# KiCad board Parallel.kicad_pcb (continued)
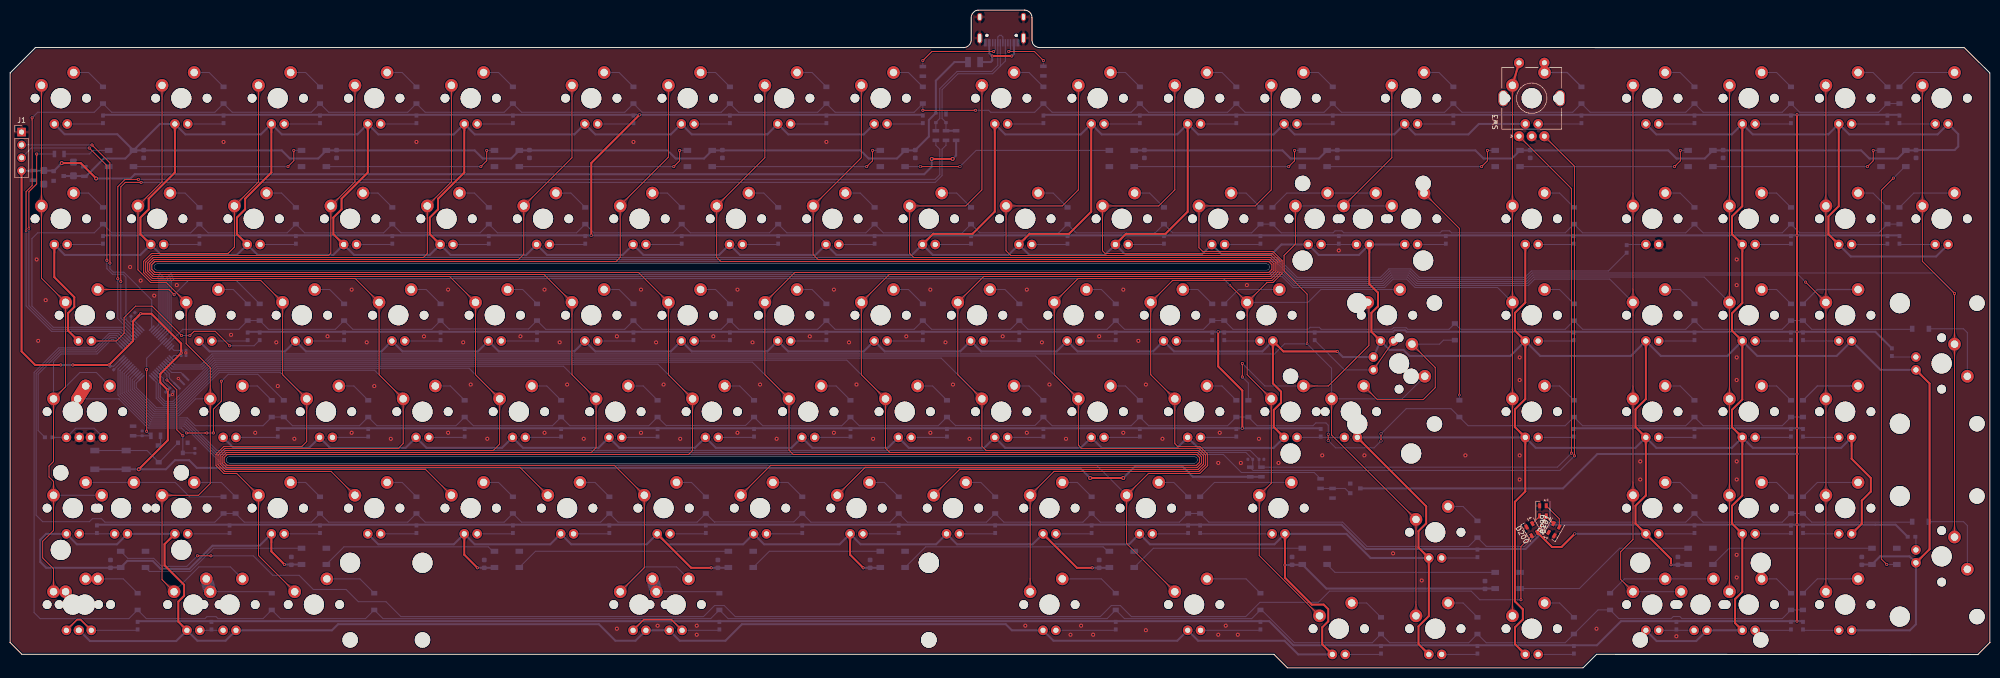
[diagram p0: board, top side]
## Copper pours and planes (outline as drawn; the poured copper is in the pictures) (continued)
Net-(D169-Pad2) on Bottom: 27.22,36.73 27.15,36.73 27.07,36.74 27,36.74 26.93,36.75 26.86,36.75 26.79,36.76 26.72,36.77 26.65,36.79 26.58,36.8 26.51,36.82 26.45,36.84 26.38,36.86 26.32,36.88 26.25,36.9 26.19,36.93 26.13,36.95 26.07,36.98 26,37.01 25.94,37.04 25.89,37.08 25.83,37.11 25.77,37.15 25.71,37.19 25.66,37.23 25.6,37.27 25.55,37.31 25.49,37.36 25.44,37.41 25.39,37.46 25.34,37.51 23.82,36.63 25.34,35.76 25.39,35.81 25.44,35.86 25.49,35.9 25.55,35.95 25.6,35.99 25.66,36.04 25.71,36.08 25.77,36.11 25.83,36.15 25.89,36.19 25.94,36.22 26,36.25 26.07,36.28 26.13,36.31 26.19,36.34 26.25,36.36 26.32,36.39 26.38,36.41 26.45,36.43 26.51,36.45 26.58,36.46 26.65,36.48 26.72,36.49 26.79,36.5 26.86,36.51 26.93,36.52 27,36.52 27.07,36.53 27.15,36.53 27.22,36.53
Net-(D169-Pad2) on Bottom: 21.67,36.53 21.74,36.53 21.82,36.53 21.89,36.52 21.96,36.52 22.03,36.51 22.1,36.5 22.17,36.49 22.24,36.48 22.31,36.46 22.38,36.45 22.45,36.43 22.51,36.41 22.58,36.39 22.64,36.36 22.7,36.34 22.77,36.31 22.83,36.28 22.89,36.25 22.95,36.22 23.01,36.19 23.06,36.15 23.12,36.11 23.18,36.08 23.23,36.04 23.29,35.99 23.34,35.95 23.4,35.9 23.45,35.86 23.5,35.81 23.55,35.76 25.07,36.63 23.55,37.51 23.5,37.46 23.45,37.41 23.4,37.36 23.34,37.31 23.29,37.27 23.23,37.23 23.18,37.19 23.12,37.15 23.06,37.11 23.01,37.08 22.95,37.04 22.89,37.01 22.83,36.98 22.77,36.95 22.7,36.93 22.64,36.9 22.58,36.88 22.51,36.86 22.45,36.84 22.38,36.82 22.31,36.8 22.24,36.79 22.17,36.77 22.1,36.76 22.03,36.75 21.96,36.75 21.89,36.74 21.82,36.74 21.74,36.73 21.67,36.73
Net-(D169-Pad2) on Bottom: 17.7,36.73 17.62,36.73 17.55,36.74 17.48,36.74 17.4,36.75 17.33,36.75 17.26,36.76 17.19,36.77 17.12,36.79 17.06,36.8 16.99,36.82 16.92,36.84 16.86,36.86 16.79,36.88 16.73,36.9 16.66,36.93 16.6,36.95 16.54,36.98 16.48,37.01 16.42,37.04 16.36,37.08 16.3,37.11 16.24,37.15 16.19,37.19 16.13,37.23 16.08,37.27 16.02,37.31 15.97,37.36 15.92,37.41 15.86,37.46 15.81,37.51 14.3,36.63 15.81,35.76 15.86,35.81 15.92,35.86 15.97,35.9 16.02,35.95 16.08,35.99 16.13,36.04 16.19,36.08 16.24,36.11 16.3,36.15 16.36,36.19 16.42,36.22 16.48,36.25 16.54,36.28 16.6,36.31 16.66,36.34 16.73,36.36 16.79,36.39 16.86,36.41 16.92,36.43 16.99,36.45 17.06,36.46 17.12,36.48 17.19,36.49 17.26,36.5 17.33,36.51 17.4,36.52 17.48,36.52 17.55,36.53 17.62,36.53 17.7,36.53
Net-(D170-Pad2) on Bottom: 39.13,36.73 39.05,36.73 38.98,36.74 38.91,36.74 38.84,36.75 38.76,36.75 38.69,36.76 38.62,36.77 38.56,36.79 38.49,36.8 38.42,36.82 38.35,36.84 38.29,36.86 38.22,36.88 38.16,36.9 38.1,36.93 38.03,36.95 37.97,36.98 37.91,37.01 37.85,37.04 37.79,37.08 37.73,37.11 37.68,37.15 37.62,37.19 37.56,37.23 37.51,37.27 37.45,37.31 37.4,37.36 37.35,37.41 37.3,37.46 37.25,37.51 35.73,36.63 37.25,35.76 37.3,35.81 37.35,35.86 37.4,35.9 37.45,35.95 37.51,35.99 37.56,36.04 37.62,36.08 37.68,36.11 37.73,36.15 37.79,36.19 37.85,36.22 37.91,36.25 37.97,36.28 38.03,36.31 38.1,36.34 38.16,36.36 38.22,36.39 38.29,36.41 38.35,36.43 38.42,36.45 38.49,36.46 38.56,36.48 38.62,36.49 38.69,36.5 38.76,36.51 38.84,36.52 38.91,36.52 38.98,36.53 39.05,36.53 39.13,36.53
Net-(D171-Pad2) on Bottom: 58.18,36.73 58.1,36.73 58.03,36.74 57.96,36.74 57.89,36.75 57.81,36.75 57.74,36.76 57.67,36.77 57.61,36.79 57.54,36.8 57.47,36.82 57.4,36.84 57.34,36.86 57.27,36.88 57.21,36.9 57.15,36.93 57.08,36.95 57.02,36.98 56.96,37.01 56.9,37.04 56.84,37.08 56.78,37.11 56.73,37.15 56.67,37.19 56.61,37.23 56.56,37.27 56.5,37.31 56.45,37.36 56.4,37.41 56.35,37.46 56.3,37.51 54.78,36.63 56.3,35.76 56.35,35.81 56.4,35.86 56.45,35.9 56.5,35.95 56.56,35.99 56.61,36.04 56.67,36.08 56.73,36.11 56.78,36.15 56.84,36.19 56.9,36.22 56.96,36.25 57.02,36.28 57.08,36.31 57.15,36.34 57.21,36.36 57.27,36.39 57.34,36.41 57.4,36.43 57.47,36.45 57.54,36.46 57.61,36.48 57.67,36.49 57.74,36.5 57.81,36.51 57.89,36.52 57.96,36.52 58.03,36.53 58.1,36.53 58.18,36.53
Net-(D172-Pad2) on Bottom: 77.23,36.73 77.15,36.73 77.08,36.74 77.01,36.74 76.94,36.75 76.86,36.75 76.79,36.76 76.72,36.77 76.66,36.79 76.59,36.8 76.52,36.82 76.45,36.84 76.39,36.86 76.32,36.88 76.26,36.9 76.2,36.93 76.13,36.95 76.07,36.98 76.01,37.01 75.95,37.04 75.89,37.08 75.83,37.11 75.78,37.15 75.72,37.19 75.66,37.23 75.61,37.27 75.55,37.31 75.5,37.36 75.45,37.41 75.4,37.46 75.35,37.51 73.83,36.63 75.35,35.76 75.4,35.81 75.45,35.86 75.5,35.9 75.55,35.95 75.61,35.99 75.66,36.04 75.72,36.08 75.78,36.11 75.83,36.15 75.89,36.19 75.95,36.22 76.01,36.25 76.07,36.28 76.13,36.31 76.2,36.34 76.26,36.36 76.32,36.39 76.39,36.41 76.45,36.43 76.52,36.45 76.59,36.46 76.66,36.48 76.72,36.49 76.79,36.5 76.86,36.51 76.94,36.52 77.01,36.52 77.08,36.53 77.15,36.53 77.23,36.53
Net-(D173-Pad2) on Bottom: 96.28,36.73 96.2,36.73 96.13,36.74 96.06,36.74 95.99,36.75 95.91,36.75 95.84,36.76 95.77,36.77 95.71,36.79 95.64,36.8 95.57,36.82 95.5,36.84 95.44,36.86 95.37,36.88 95.31,36.9 95.25,36.93 95.18,36.95 95.12,36.98 95.06,37.01 95,37.04 94.94,37.08 94.88,37.11 94.83,37.15 94.77,37.19 94.71,37.23 94.66,37.27 94.6,37.31 94.55,37.36 94.5,37.41 94.45,37.46 94.4,37.51 92.88,36.63 94.4,35.76 94.45,35.81 94.5,35.86 94.55,35.9 94.6,35.95 94.66,35.99 94.71,36.04 94.77,36.08 94.83,36.11 94.88,36.15 94.94,36.19 95,36.22 95.06,36.25 95.12,36.28 95.18,36.31 95.25,36.34 95.31,36.36 95.37,36.39 95.44,36.41 95.5,36.43 95.57,36.45 95.64,36.46 95.71,36.48 95.77,36.49 95.84,36.5 95.91,36.51 95.99,36.52 96.06,36.52 96.13,36.53 96.2,36.53 96.28,36.53
Net-(D174-Pad2) on Bottom: 115.33,36.73 115.25,36.73 115.18,36.74 115.11,36.74 115.04,36.75 114.96,36.75 114.89,36.76 114.82,36.77 114.76,36.79 114.69,36.8 114.62,36.82 114.55,36.84 114.49,36.86 114.42,36.88 114.36,36.9 114.3,36.93 114.23,36.95 114.17,36.98 114.11,37.01 114.05,37.04 113.99,37.08 113.93,37.11 113.88,37.15 113.82,37.19 113.76,37.23 113.71,37.27 113.65,37.31 113.6,37.36 113.55,37.41 113.5,37.46 113.45,37.51 111.93,36.63 113.45,35.76 113.5,35.81 113.55,35.86 113.6,35.9 113.65,35.95 113.71,35.99 113.76,36.04 113.82,36.08 113.88,36.11 113.93,36.15 113.99,36.19 114.05,36.22 114.11,36.25 114.17,36.28 114.23,36.31 114.3,36.34 114.36,36.36 114.42,36.39 114.49,36.41 114.55,36.43 114.62,36.45 114.69,36.46 114.76,36.48 114.82,36.49 114.89,36.5 114.96,36.51 115.04,36.52 115.11,36.52 115.18,36.53 115.25,36.53 115.33,36.53
Net-(D175-Pad2) on Bottom: 134.38,36.73 134.3,36.73 134.23,36.74 134.16,36.74 134.09,36.75 134.01,36.75 133.94,36.76 133.87,36.77 133.81,36.79 133.74,36.8 133.67,36.82 133.6,36.84 133.54,36.86 133.47,36.88 133.41,36.9 133.35,36.93 133.28,36.95 133.22,36.98 133.16,37.01 133.1,37.04 133.04,37.08 132.98,37.11 132.93,37.15 132.87,37.19 132.81,37.23 132.76,37.27 132.7,37.31 132.65,37.36 132.6,37.41 132.55,37.46 132.5,37.51 130.98,36.63 132.5,35.76 132.55,35.81 132.6,35.86 132.65,35.9 132.7,35.95 132.76,35.99 132.81,36.04 132.87,36.08 132.93,36.11 132.98,36.15 133.04,36.19 133.1,36.22 133.16,36.25 133.22,36.28 133.28,36.31 133.35,36.34 133.41,36.36 133.47,36.39 133.54,36.41 133.6,36.43 133.67,36.45 133.74,36.46 133.81,36.48 133.87,36.49 133.94,36.5 134.01,36.51 134.09,36.52 134.16,36.52 134.23,36.53 134.3,36.53 134.38,36.53
Net-(D176-Pad2) on Bottom: 153.43,36.73 153.35,36.73 153.28,36.74 153.21,36.74 153.14,36.75 153.06,36.75 152.99,36.76 152.92,36.77 152.86,36.79 152.79,36.8 152.72,36.82 152.65,36.84 152.59,36.86 152.52,36.88 152.46,36.9 152.4,36.93 152.33,36.95 152.27,36.98 152.21,37.01 152.15,37.04 152.09,37.08 152.03,37.11 151.98,37.15 151.92,37.19 151.86,37.23 151.81,37.27 151.75,37.31 151.7,37.36 151.65,37.41 151.6,37.46 151.55,37.51 150.03,36.63 151.55,35.76 151.6,35.81 151.65,35.86 151.7,35.9 151.75,35.95 151.81,35.99 151.86,36.04 151.92,36.08 151.98,36.11 152.03,36.15 152.09,36.19 152.15,36.22 152.21,36.25 152.27,36.28 152.33,36.31 152.4,36.34 152.46,36.36 152.52,36.39 152.59,36.41 152.65,36.43 152.72,36.45 152.79,36.46 152.86,36.48 152.92,36.49 152.99,36.5 153.06,36.51 153.14,36.52 153.21,36.52 153.28,36.53 153.35,36.53 153.43,36.53
Net-(D177-Pad2) on Bottom: 172.48,36.73 172.4,36.73 172.33,36.74 172.26,36.74 172.19,36.75 172.11,36.75 172.04,36.76 171.97,36.77 171.91,36.79 171.84,36.8 171.77,36.82 171.7,36.84 171.64,36.86 171.57,36.88 171.51,36.9 171.45,36.93 171.38,36.95 171.32,36.98 171.26,37.01 171.2,37.04 171.14,37.08 171.08,37.11 171.03,37.15 170.97,37.19 170.91,37.23 170.86,37.27 170.8,37.31 170.75,37.36 170.7,37.41 170.65,37.46 170.6,37.51 169.08,36.63 170.6,35.76 170.65,35.81 170.7,35.86 170.75,35.9 170.8,35.95 170.86,35.99 170.91,36.04 170.97,36.08 171.03,36.11 171.08,36.15 171.14,36.19 171.2,36.22 171.26,36.25 171.32,36.28 171.38,36.31 171.45,36.34 171.51,36.36 171.57,36.39 171.64,36.41 171.7,36.43 171.77,36.45 171.84,36.46 171.91,36.48 171.97,36.49 172.04,36.5 172.11,36.51 172.19,36.52 172.26,36.52 172.33,36.53 172.4,36.53 172.48,36.53
Net-(D178-Pad2) on Bottom: 191.53,36.73 191.45,36.73 191.38,36.74 191.31,36.74 191.24,36.75 191.16,36.75 191.09,36.76 191.02,36.77 190.96,36.79 190.89,36.8 190.82,36.82 190.75,36.84 190.69,36.86 190.62,36.88 190.56,36.9 190.5,36.93 190.43,36.95 190.37,36.98 190.31,37.01 190.25,37.04 190.19,37.08 190.13,37.11 190.08,37.15 190.02,37.19 189.96,37.23 189.91,37.27 189.85,37.31 189.8,37.36 189.75,37.41 189.7,37.46 189.65,37.51 188.13,36.63 189.65,35.76 189.7,35.81 189.75,35.86 189.8,35.9 189.85,35.95 189.91,35.99 189.96,36.04 190.02,36.08 190.08,36.11 190.13,36.15 190.19,36.19 190.25,36.22 190.31,36.25 190.37,36.28 190.43,36.31 190.5,36.34 190.56,36.36 190.62,36.39 190.69,36.41 190.75,36.43 190.82,36.45 190.89,36.46 190.96,36.48 191.02,36.49 191.09,36.5 191.16,36.51 191.24,36.52 191.31,36.52 191.38,36.53 191.45,36.53 191.53,36.53
Net-(D179-Pad2) on Bottom: 210.58,36.73 210.5,36.73 210.43,36.74 210.36,36.74 210.29,36.75 210.21,36.75 210.14,36.76 210.07,36.77 210.01,36.79 209.94,36.8 209.87,36.82 209.8,36.84 209.74,36.86 209.67,36.88 209.61,36.9 209.55,36.93 209.48,36.95 209.42,36.98 209.36,37.01 209.3,37.04 209.24,37.08 209.18,37.11 209.13,37.15 209.07,37.19 209.01,37.23 208.96,37.27 208.9,37.31 208.85,37.36 208.8,37.41 208.75,37.46 208.7,37.51 207.18,36.63 208.7,35.76 208.75,35.81 208.8,35.86 208.85,35.9 208.9,35.95 208.96,35.99 209.01,36.04 209.07,36.08 209.13,36.11 209.18,36.15 209.24,36.19 209.3,36.22 209.36,36.25 209.42,36.28 209.48,36.31 209.55,36.34 209.61,36.36 209.67,36.39 209.74,36.41 209.8,36.43 209.87,36.45 209.94,36.46 210.01,36.48 210.07,36.49 210.14,36.5 210.21,36.51 210.29,36.52 210.36,36.52 210.43,36.53 210.5,36.53 210.58,36.53
Net-(D180-Pad2) on Bottom: 229.63,36.73 229.55,36.73 229.48,36.74 229.41,36.74 229.34,36.75 229.26,36.75 229.19,36.76 229.12,36.77 229.06,36.79 228.99,36.8 228.92,36.82 228.85,36.84 228.79,36.86 228.72,36.88 228.66,36.9 228.6,36.93 228.53,36.95 228.47,36.98 228.41,37.01 228.35,37.04 228.29,37.08 228.23,37.11 228.18,37.15 228.12,37.19 228.06,37.23 228.01,37.27 227.95,37.31 227.9,37.36 227.85,37.41 227.8,37.46 227.75,37.51 226.23,36.63 227.75,35.76 227.8,35.81 227.85,35.86 227.9,35.9 227.95,35.95 228.01,35.99 228.06,36.04 228.12,36.08 228.18,36.11 228.23,36.15 228.29,36.19 228.35,36.22 228.41,36.25 228.47,36.28 228.53,36.31 228.6,36.34 228.66,36.36 228.72,36.39 228.79,36.41 228.85,36.43 228.92,36.45 228.99,36.46 229.06,36.48 229.12,36.49 229.19,36.5 229.26,36.51 229.34,36.52 229.41,36.52 229.48,36.53 229.55,36.53 229.63,36.53
Net-(D181-Pad2) on Bottom: 250.27,36.53 250.34,36.53 250.42,36.53 250.49,36.52 250.56,36.52 250.63,36.51 250.71,36.5 250.77,36.49 250.84,36.48 250.91,36.46 250.98,36.45 251.05,36.43 251.11,36.41 251.18,36.39 251.24,36.36 251.3,36.34 251.37,36.31 251.43,36.28 251.49,36.25 251.55,36.22 251.61,36.19 251.67,36.15 251.72,36.11 251.78,36.08 251.84,36.04 251.89,35.99 251.94,35.95 252,35.9 252.05,35.86 252.1,35.81 252.15,35.76 253.67,36.63 252.15,37.51 252.1,37.46 252.05,37.41 252,37.36 251.94,37.31 251.89,37.27 251.84,37.23 251.78,37.19 251.72,37.15 251.67,37.11 251.61,37.08 251.55,37.04 251.49,37.01 251.43,36.98 251.37,36.95 251.3,36.93 251.24,36.9 251.18,36.88 251.11,36.86 251.05,36.84 250.98,36.82 250.91,36.8 250.84,36.79 250.77,36.77 250.71,36.76 250.63,36.75 250.56,36.75 250.49,36.74 250.42,36.74 250.34,36.73 250.27,36.73
Net-(D182-Pad2) on Bottom: 286.78,31.97 286.7,31.97 286.63,31.97 286.56,31.98 286.49,31.98 286.41,31.99 286.34,32 286.27,32.01 286.21,32.02 286.14,32.04 286.07,32.06 286,32.07 285.94,32.09 285.87,32.11 285.81,32.14 285.75,32.16 285.68,32.19 285.62,32.22 285.56,32.25 285.5,32.28 285.44,32.31 285.38,32.35 285.33,32.39 285.27,32.42 285.21,32.47 285.16,32.51 285.1,32.55 285.05,32.6 285,32.64 284.95,32.69 284.9,32.74 283.38,31.87 284.9,30.99 284.95,31.04 285,31.09 285.05,31.14 285.1,31.19 285.16,31.23 285.21,31.27 285.27,31.31 285.33,31.35 285.38,31.39 285.44,31.42 285.5,31.46 285.56,31.49 285.62,31.52 285.68,31.55 285.75,31.58 285.81,31.6 285.87,31.62 285.94,31.65 286,31.66 286.07,31.68 286.14,31.7 286.21,31.71 286.27,31.73 286.34,31.74 286.41,31.75 286.49,31.76 286.56,31.76 286.63,31.77 286.7,31.77 286.78,31.77
Net-(D183-Pad1) on Top: 14.56,8.69 15.08,7.43 16.37,7.08 16.02,8.37 14.77,8.9
Net-(D183-Pad1) on Top: 12.37,8.9 11.12,8.37 10.77,7.08 12.06,7.43 12.59,8.69
Net-(D183-Pad1) on Bottom: 18.09,7.52 16.71,8.09 15.56,7.42 16.71,6.75 18.09,7.32
Net-(D184-Pad2) on Bottom: 329.64,36.73 329.57,36.73 329.49,36.74 329.42,36.74 329.35,36.75 329.28,36.75 329.21,36.76 329.14,36.77 329.07,36.79 329,36.8 328.93,36.82 328.87,36.84 328.8,36.86 328.74,36.88 328.67,36.9 328.61,36.93 328.55,36.95 328.49,36.98 328.42,37.01 328.36,37.04 328.31,37.08 328.25,37.11 328.19,37.15 328.13,37.19 328.08,37.23 328.02,37.27 327.97,37.31 327.91,37.36 327.86,37.41 327.81,37.46 327.76,37.51 326.24,36.63 327.76,35.76 327.81,35.81 327.86,35.86 327.91,35.9 327.97,35.95 328.02,35.99 328.08,36.04 328.13,36.08 328.19,36.11 328.25,36.15 328.31,36.19 328.36,36.22 328.42,36.25 328.49,36.28 328.55,36.31 328.61,36.34 328.67,36.36 328.74,36.39 328.8,36.41 328.87,36.43 328.93,36.45 329,36.46 329.07,36.48 329.14,36.49 329.21,36.5 329.28,36.51 329.35,36.52 329.42,36.52 329.49,36.53 329.57,36.53 329.64,36.53
Net-(D185-Pad2) on Bottom: 348.69,36.73 348.62,36.73 348.54,36.74 348.47,36.74 348.4,36.75 348.33,36.75 348.26,36.76 348.19,36.77 348.12,36.79 348.05,36.8 347.98,36.82 347.92,36.84 347.85,36.86 347.79,36.88 347.72,36.9 347.66,36.93 347.6,36.95 347.54,36.98 347.47,37.01 347.41,37.04 347.36,37.08 347.3,37.11 347.24,37.15 347.18,37.19 347.13,37.23 347.07,37.27 347.02,37.31 346.96,37.36 346.91,37.41 346.86,37.46 346.81,37.51 345.29,36.63 346.81,35.76 346.86,35.81 346.91,35.86 346.96,35.9 347.02,35.95 347.07,35.99 347.13,36.04 347.18,36.08 347.24,36.11 347.3,36.15 347.36,36.19 347.41,36.22 347.47,36.25 347.54,36.28 347.6,36.31 347.66,36.34 347.72,36.36 347.79,36.39 347.85,36.41 347.92,36.43 347.98,36.45 348.05,36.46 348.12,36.48 348.19,36.49 348.26,36.5 348.33,36.51 348.4,36.52 348.47,36.52 348.54,36.53 348.62,36.53 348.69,36.53
Net-(D186-Pad2) on Bottom: 362.19,36.53 362.26,36.53 362.34,36.53 362.41,36.52 362.48,36.52 362.55,36.51 362.62,36.5 362.69,36.49 362.76,36.48 362.83,36.46 362.9,36.45 362.96,36.43 363.03,36.41 363.1,36.39 363.16,36.36 363.22,36.34 363.28,36.31 363.35,36.28 363.41,36.25 363.47,36.22 363.53,36.19 363.58,36.15 363.64,36.11 363.7,36.08 363.75,36.04 363.81,35.99 363.86,35.95 363.92,35.9 363.97,35.86 364.02,35.81 364.07,35.76 365.59,36.63 364.07,37.51 364.02,37.46 363.97,37.41 363.92,37.36 363.86,37.31 363.81,37.27 363.75,37.23 363.7,37.19 363.64,37.15 363.58,37.11 363.53,37.08 363.47,37.04 363.41,37.01 363.35,36.98 363.28,36.95 363.22,36.93 363.16,36.9 363.1,36.88 363.03,36.86 362.96,36.84 362.9,36.82 362.83,36.8 362.76,36.79 362.69,36.77 362.62,36.76 362.55,36.75 362.48,36.75 362.41,36.74 362.34,36.74 362.26,36.73 362.19,36.73
Net-(D187-Pad2) on Bottom: 386.46,22.26 386.45,22.19 386.45,22.11 386.45,22.04 386.44,21.97 386.43,21.9 386.42,21.83 386.41,21.76 386.4,21.69 386.39,21.62 386.37,21.55 386.35,21.49 386.33,21.42 386.31,21.36 386.29,21.29 386.26,21.23 386.24,21.17 386.21,21.11 386.18,21.05 386.14,20.99 386.11,20.93 386.08,20.87 386.04,20.81 386,20.75 385.96,20.7 385.92,20.64 385.87,20.59 385.83,20.53 385.78,20.48 385.73,20.43 385.68,20.38 386.56,18.86 387.43,20.38 387.38,20.43 387.33,20.48 387.28,20.53 387.24,20.59 387.19,20.64 387.15,20.7 387.11,20.75 387.07,20.81 387.04,20.87 387,20.93 386.97,20.99 386.93,21.05 386.9,21.11 386.88,21.17 386.85,21.23 386.82,21.29 386.8,21.36 386.78,21.42 386.76,21.49 386.74,21.55 386.73,21.62 386.71,21.69 386.7,21.76 386.69,21.83 386.68,21.9 386.67,21.97 386.66,22.04 386.66,22.11 386.66,22.19 386.66,22.26
Net-(D188-Pad1) on Bottom: 113.34,26.57 111.96,27.14 110.81,26.47 111.96,25.8 113.34,26.37
Net-(D189-Pad1) on Bottom: 94.29,26.57 92.91,27.14 91.76,26.47 92.91,25.8 94.29,26.37
Net-(D190-Pad1) on Bottom: 75.24,26.57 73.86,27.14 72.71,26.47 73.86,25.8 75.24,26.37
Net-(D191-Pad1) on Bottom: 284.79,21.81 283.41,22.38 282.26,21.71 283.41,21.04 284.79,21.61
Net-(D192-Pad1) on Bottom: 56.19,26.57 54.81,27.14 53.66,26.47 54.81,25.8 56.19,26.37
Net-(D193-Pad1) on Bottom: 15.71,26.57 14.33,27.14 13.17,26.47 14.33,25.8 15.71,26.37
Net-(D193-Pad1) on Bottom: 18.58,26.37 19.96,25.8 21.11,26.47 19.96,27.14 18.58,26.57
Net-(D195-Pad1) on Bottom: 37.14,26.57 35.76,27.14 34.61,26.47 35.76,25.8 37.14,26.37
Net-(D196-Pad1) on Bottom: 327.65,26.57 326.28,27.14 325.12,26.47 326.28,25.8 327.65,26.37
Net-(D197-Pad1) on Bottom: 346.7,26.57 345.33,27.14 344.17,26.47 345.33,25.8 346.7,26.37
Net-(D198-Pad1) on Bottom: 359.1,26.37 360.48,25.8 361.63,26.47 360.48,27.14 359.1,26.57
Net-(D202-Pad2) on Bottom: 267.73,12.92 267.65,12.92 267.58,12.92 267.51,12.93 267.44,12.93 267.36,12.94 267.29,12.95 267.22,12.96 267.16,12.97 267.09,12.99 267.02,13.01 266.95,13.02 266.89,13.04 266.82,13.06 266.76,13.09 266.7,13.11 266.63,13.14 266.57,13.17 266.51,13.2 266.45,13.23 266.39,13.26 266.33,13.3 266.28,13.34 266.22,13.37 266.16,13.42 266.11,13.46 266.05,13.5 266,13.55 265.95,13.59 265.9,13.64 265.85,13.69 264.33,12.82 265.85,11.94 265.9,11.99 265.95,12.04 266,12.09 266.05,12.14 266.11,12.18 266.16,12.22 266.22,12.26 266.28,12.3 266.33,12.34 266.39,12.37 266.45,12.41 266.51,12.44 266.57,12.47 266.63,12.5 266.7,12.53 266.76,12.55 266.82,12.57 266.89,12.6 266.95,12.61 267.02,12.63 267.09,12.65 267.16,12.66 267.22,12.68 267.29,12.69 267.36,12.7 267.44,12.71 267.51,12.71 267.58,12.72 267.65,12.72 267.73,12.72
Net-(D203-Pad2) on Bottom: 305.83,12.92 305.75,12.92 305.68,12.92 305.61,12.93 305.54,12.93 305.46,12.94 305.39,12.95 305.32,12.96 305.26,12.97 305.19,12.99 305.12,13.01 305.05,13.02 304.99,13.04 304.92,13.06 304.86,13.09 304.8,13.11 304.73,13.14 304.67,13.17 304.61,13.2 304.55,13.23 304.49,13.26 304.43,13.3 304.38,13.34 304.32,13.37 304.26,13.42 304.21,13.46 304.15,13.5 304.1,13.55 304.05,13.59 304,13.64 303.95,13.69 302.43,12.82 303.95,11.94 304,11.99 304.05,12.04 304.1,12.09 304.15,12.14 304.21,12.18 304.26,12.22 304.32,12.26 304.38,12.3 304.43,12.34 304.49,12.37 304.55,12.41 304.61,12.44 304.67,12.47 304.73,12.5 304.8,12.53 304.86,12.55 304.92,12.57 304.99,12.6 305.05,12.61 305.12,12.63 305.19,12.65 305.26,12.66 305.32,12.68 305.39,12.69 305.46,12.7 305.54,12.71 305.61,12.71 305.68,12.72 305.75,12.72 305.83,12.72
Net-(D204-Pad2) on Bottom: 324.09,17.48 324.16,17.48 324.24,17.48 324.31,17.47 324.38,17.47 324.45,17.46 324.52,17.45 324.59,17.44 324.66,17.43 324.73,17.41 324.8,17.4 324.86,17.38 324.93,17.36 324.99,17.34 325.06,17.31 325.12,17.29 325.18,17.26 325.25,17.23 325.31,17.2 325.37,17.17 325.43,17.14 325.48,17.1 325.54,17.06 325.6,17.03 325.65,16.99 325.71,16.94 325.76,16.9 325.82,16.85 325.87,16.81 325.92,16.76 325.97,16.71 327.49,17.58 325.97,18.46 325.92,18.41 325.87,18.36 325.82,18.31 325.76,18.26 325.71,18.22 325.65,18.18 325.6,18.14 325.54,18.1 325.48,18.06 325.43,18.03 325.37,17.99 325.31,17.96 325.25,17.93 325.18,17.9 325.12,17.88 325.06,17.85 324.99,17.83 324.93,17.81 324.86,17.79 324.8,17.77 324.73,17.75 324.66,17.74 324.59,17.72 324.52,17.71 324.45,17.7 324.38,17.7 324.31,17.69 324.24,17.69 324.16,17.68 324.09,17.68
Net-(D204-Pad2) on Bottom: 329.64,17.68 329.57,17.68 329.49,17.69 329.42,17.69 329.35,17.7 329.28,17.7 329.21,17.71 329.14,17.72 329.07,17.74 329,17.75 328.93,17.77 328.87,17.79 328.8,17.81 328.74,17.83 328.67,17.85 328.61,17.88 328.55,17.9 328.49,17.93 328.42,17.96 328.36,17.99 328.31,18.03 328.25,18.06 328.19,18.1 328.13,18.14 328.08,18.18 328.02,18.22 327.97,18.26 327.91,18.31 327.86,18.36 327.81,18.41 327.76,18.46 326.24,17.58 327.76,16.71 327.81,16.76 327.86,16.81 327.91,16.85 327.97,16.9 328.02,16.94 328.08,16.99 328.13,17.03 328.19,17.06 328.25,17.1 328.31,17.14 328.36,17.17 328.42,17.2 328.49,17.23 328.55,17.26 328.61,17.29 328.67,17.31 328.74,17.34 328.8,17.36 328.87,17.38 328.93,17.4 329,17.41 329.07,17.43 329.14,17.44 329.21,17.45 329.28,17.46 329.35,17.47 329.42,17.47 329.49,17.48 329.57,17.48 329.64,17.48
Net-(D204-Pad2) on Bottom: 333.61,17.48 333.69,17.48 333.76,17.48 333.84,17.47 333.91,17.47 333.98,17.46 334.05,17.45 334.12,17.44 334.19,17.43 334.26,17.41 334.32,17.4 334.39,17.38 334.46,17.36 334.52,17.34 334.58,17.31 334.65,17.29 334.71,17.26 334.77,17.23 334.83,17.2 334.89,17.17 334.95,17.14 335.01,17.1 335.07,17.06 335.12,17.03 335.18,16.99 335.23,16.94 335.29,16.9 335.34,16.85 335.39,16.81 335.45,16.76 335.5,16.71 337.02,17.58 335.5,18.46 335.45,18.41 335.39,18.36 335.34,18.31 335.29,18.26 335.23,18.22 335.18,18.18 335.12,18.14 335.07,18.1 335.01,18.06 334.95,18.03 334.89,17.99 334.83,17.96 334.77,17.93 334.71,17.9 334.65,17.88 334.58,17.85 334.52,17.83 334.46,17.81 334.39,17.79 334.32,17.77 334.26,17.75 334.19,17.74 334.12,17.72 334.05,17.71 333.98,17.7 333.91,17.7 333.84,17.69 333.76,17.69 333.69,17.68 333.61,17.68
Net-(D205-Pad2) on Bottom: 348.69,17.68 348.62,17.68 348.54,17.69 348.47,17.69 348.4,17.7 348.33,17.7 348.26,17.71 348.19,17.72 348.12,17.74 348.05,17.75 347.98,17.77 347.92,17.79 347.85,17.81 347.79,17.83 347.72,17.85 347.66,17.88 347.6,17.9 347.54,17.93 347.47,17.96 347.41,17.99 347.36,18.03 347.3,18.06 347.24,18.1 347.18,18.14 347.13,18.18 347.07,18.22 347.02,18.26 346.96,18.31 346.91,18.36 346.86,18.41 346.81,18.46 345.29,17.58 346.81,16.71 346.86,16.76 346.91,16.81 346.96,16.85 347.02,16.9 347.07,16.94 347.13,16.99 347.18,17.03 347.24,17.06 347.3,17.1 347.36,17.14 347.41,17.17 347.47,17.2 347.54,17.23 347.6,17.26 347.66,17.29 347.72,17.31 347.79,17.34 347.85,17.36 347.92,17.38 347.98,17.4 348.05,17.41 348.12,17.43 348.19,17.44 348.26,17.45 348.33,17.46 348.4,17.47 348.47,17.47 348.54,17.48 348.62,17.48 348.69,17.48
Net-(D206-Pad2) on Bottom: 362.19,17.48 362.26,17.48 362.34,17.48 362.41,17.47 362.48,17.47 362.55,17.46 362.62,17.45 362.69,17.44 362.76,17.43 362.83,17.41 362.9,17.4 362.96,17.38 363.03,17.36 363.1,17.34 363.16,17.31 363.22,17.29 363.28,17.26 363.35,17.23 363.41,17.2 363.47,17.17 363.53,17.14 363.58,17.1 363.64,17.06 363.7,17.03 363.75,16.99 363.81,16.94 363.86,16.9 363.92,16.85 363.97,16.81 364.02,16.76 364.07,16.71 365.59,17.58 364.07,18.46 364.02,18.41 363.97,18.36 363.92,18.31 363.86,18.26 363.81,18.22 363.75,18.18 363.7,18.14 363.64,18.1 363.58,18.06 363.53,18.03 363.47,17.99 363.41,17.96 363.35,17.93 363.28,17.9 363.22,17.88 363.16,17.85 363.1,17.83 363.03,17.81 362.96,17.79 362.9,17.77 362.83,17.75 362.76,17.74 362.69,17.72 362.62,17.71 362.55,17.7 362.48,17.7 362.41,17.69 362.34,17.69 362.26,17.68 362.19,17.68
Net-(D207-Pad2) on Bottom: 20.08,17.68 20,17.68 19.93,17.69 19.86,17.69 19.79,17.7 19.71,17.7 19.64,17.71 19.57,17.72 19.51,17.74 19.44,17.75 19.37,17.77 19.3,17.79 19.24,17.81 19.17,17.83 19.11,17.85 19.05,17.88 18.98,17.9 18.92,17.93 18.86,17.96 18.8,17.99 18.74,18.03 18.68,18.06 18.63,18.1 18.57,18.14 18.51,18.18 18.46,18.22 18.4,18.26 18.35,18.31 18.3,18.36 18.25,18.41 18.19,18.46 16.68,17.58 18.19,16.71 18.25,16.76 18.3,16.81 18.35,16.85 18.4,16.9 18.46,16.94 18.51,16.99 18.57,17.03 18.63,17.06 18.68,17.1 18.74,17.14 18.8,17.17 18.86,17.2 18.92,17.23 18.98,17.26 19.05,17.29 19.11,17.31 19.17,17.34 19.24,17.36 19.3,17.38 19.37,17.4 19.44,17.41 19.51,17.43 19.57,17.44 19.64,17.45 19.71,17.46 19.79,17.47 19.86,17.47 19.93,17.48 20,17.48 20.08,17.48
Net-(D208-Pad2) on Bottom: 42.3,15.14 42.23,15.14 42.16,15.15 42.08,15.15 42.01,15.16 41.94,15.16 41.87,15.17 41.8,15.18 41.73,15.2 41.66,15.21 41.59,15.23 41.53,15.25 41.46,15.27 41.4,15.29 41.33,15.31 41.27,15.34 41.21,15.36 41.15,15.39 41.09,15.42 41.03,15.45 40.97,15.49 40.91,15.52 40.85,15.56 40.79,15.6 40.74,15.64 40.68,15.68 40.63,15.72 40.58,15.77 40.52,15.82 40.47,15.87 40.42,15.92 38.9,15.04 40.42,14.17 40.47,14.22 40.52,14.27 40.58,14.31 40.63,14.36 40.68,14.4 40.74,14.45 40.79,14.49 40.85,14.52 40.91,14.56 40.97,14.6 41.03,14.63 41.09,14.66 41.15,14.69 41.21,14.72 41.27,14.75 41.33,14.77 41.4,14.8 41.46,14.82 41.53,14.84 41.59,14.86 41.66,14.87 41.73,14.89 41.8,14.9 41.87,14.91 41.94,14.92 42.01,14.93 42.08,14.93 42.16,14.94 42.23,14.94 42.3,14.94
Net-(D209-Pad2) on Bottom: 130.41,15.14 130.34,15.14 130.26,15.15 130.19,15.15 130.12,15.16 130.05,15.16 129.98,15.17 129.91,15.18 129.84,15.2 129.77,15.21 129.7,15.23 129.63,15.25 129.57,15.27 129.5,15.29 129.44,15.31 129.38,15.34 129.31,15.36 129.25,15.39 129.19,15.42 129.13,15.45 129.07,15.49 129.02,15.52 128.96,15.56 128.9,15.6 128.84,15.64 128.79,15.68 128.74,15.72 128.68,15.77 128.63,15.82 128.58,15.87 128.53,15.92 127.01,15.04 128.53,14.17 128.58,14.22 128.63,14.27 128.68,14.31 128.74,14.36 128.79,14.4 128.84,14.45 128.9,14.49 128.96,14.52 129.02,14.56 129.07,14.6 129.13,14.63 129.19,14.66 129.25,14.69 129.31,14.72 129.38,14.75 129.44,14.77 129.5,14.8 129.57,14.82 129.63,14.84 129.7,14.86 129.77,14.87 129.84,14.89 129.91,14.9 129.98,14.91 130.05,14.92 130.12,14.93 130.19,14.93 130.26,14.94 130.34,14.94 130.41,14.94
Net-(D210-Pad2) on Bottom: 210.58,17.68 210.5,17.68 210.43,17.69 210.36,17.69 210.29,17.7 210.21,17.7 210.14,17.71 210.07,17.72 210.01,17.74 209.94,17.75 209.87,17.77 209.8,17.79 209.74,17.81 209.67,17.83 209.61,17.85 209.55,17.88 209.48,17.9 209.42,17.93 209.36,17.96 209.3,17.99 209.24,18.03 209.18,18.06 209.13,18.1 209.07,18.14 209.01,18.18 208.96,18.22 208.9,18.26 208.85,18.31 208.8,18.36 208.75,18.41 208.7,18.46 207.18,17.58 208.7,16.71 208.75,16.76 208.8,16.81 208.85,16.85 208.9,16.9 208.96,16.94 209.01,16.99 209.07,17.03 209.13,17.06 209.18,17.1 209.24,17.14 209.3,17.17 209.36,17.2 209.42,17.23 209.48,17.26 209.55,17.29 209.61,17.31 209.67,17.34 209.74,17.36 209.8,17.38 209.87,17.4 209.94,17.41 210.01,17.43 210.07,17.44 210.14,17.45 210.21,17.46 210.29,17.47 210.36,17.47 210.43,17.48 210.5,17.48 210.58,17.48
Net-(D211-Pad2) on Bottom: 239.15,17.68 239.08,17.68 239.01,17.69 238.93,17.69 238.86,17.7 238.79,17.7 238.72,17.71 238.65,17.72 238.58,17.74 238.51,17.75 238.45,17.77 238.38,17.79 238.31,17.81 238.25,17.83 238.18,17.85 238.12,17.88 238.06,17.9 238,17.93 237.94,17.96 237.88,17.99 237.82,18.03 237.76,18.06 237.7,18.1 237.64,18.14 237.59,18.18 237.53,18.22 237.48,18.26 237.43,18.31 237.37,18.36 237.32,18.41 237.27,18.46 235.75,17.58 237.27,16.71 237.32,16.76 237.37,16.81 237.43,16.85 237.48,16.9 237.53,16.94 237.59,16.99 237.64,17.03 237.7,17.06 237.76,17.1 237.82,17.14 237.88,17.17 237.94,17.2 238,17.23 238.06,17.26 238.12,17.29 238.18,17.31 238.25,17.34 238.31,17.36 238.38,17.38 238.45,17.4 238.51,17.41 238.58,17.43 238.65,17.44 238.72,17.45 238.79,17.46 238.86,17.47 238.93,17.47 239.01,17.48 239.08,17.48 239.15,17.48
Net-(D212-Pad2) on Bottom: 65.32,17.68 65.25,17.68 65.17,17.69 65.1,17.69 65.03,17.7 64.96,17.7 64.89,17.71 64.82,17.72 64.75,17.74 64.68,17.75 64.61,17.77 64.55,17.79 64.48,17.81 64.42,17.83 64.35,17.85 64.29,17.88 64.23,17.9 64.17,17.93 64.1,17.96 64.04,17.99 63.99,18.03 63.93,18.06 63.87,18.1 63.81,18.14 63.76,18.18 63.7,18.22 63.65,18.26 63.59,18.31 63.54,18.36 63.49,18.41 63.44,18.46 61.92,17.58 63.44,16.71 63.49,16.76 63.54,16.81 63.59,16.85 63.65,16.9 63.7,16.94 63.76,16.99 63.81,17.03 63.87,17.06 63.93,17.1 63.99,17.14 64.04,17.17 64.1,17.2 64.17,17.23 64.23,17.26 64.29,17.29 64.35,17.31 64.42,17.34 64.48,17.36 64.55,17.38 64.61,17.4 64.68,17.41 64.75,17.43 64.82,17.44 64.89,17.45 64.96,17.46 65.03,17.47 65.1,17.47 65.17,17.48 65.25,17.48 65.32,17.48
Net-(D213-Pad1) on Bottom: 303.84,2.76 302.46,3.33 301.31,2.66 302.46,1.99 303.84,2.56
Net-(D214-Pad1) on Bottom: 376.3,25.35 375.73,23.98 376.4,22.82 377.06,23.98 376.5,25.35
Net-(D215-Pad1) on Bottom: 265.74,2.76 264.36,3.33 263.21,2.66 264.36,1.99 265.74,2.56
Net-(D216-Pad1) on Bottom: 284.79,2.76 283.41,3.33 282.26,2.66 283.41,1.99 284.79,2.56
Net-(D217-Pad1) on Bottom: 346.7,7.52 345.33,8.09 344.17,7.42 345.33,6.75 346.7,7.32
Net-(D218-Pad1) on Bottom: 359.1,7.32 360.48,6.75 361.63,7.42 360.48,8.09 359.1,7.52
Net-(D223-Pad1) on Bottom: 39.52,7.52 38.14,8.09 36.99,7.42 38.14,6.75 39.52,7.32
Net-(D223-Pad1) on Bottom: 40.01,7.32 41.39,6.75 42.54,7.42 41.39,8.09 40.01,7.52

Small or netless copper shapes (teardrops, artwork), in the pictures only: 108 on Top, 111 on Bottom
